# Altium PCB VNGS01 V1.31.PcbDoc (part 1 of 2)
Units mm, origin at the board's own origin, x right, y up, seen from the top; angles counter-clockwise.
Board outline 55.23 x 93.12 mm, 4 copper layers (Top Layer, Signal Layer 1, Signal Layer 2, Bottom Layer), stack 1.586 mm thick; 186 components, 119 nets, 588 pads, 371 vias.
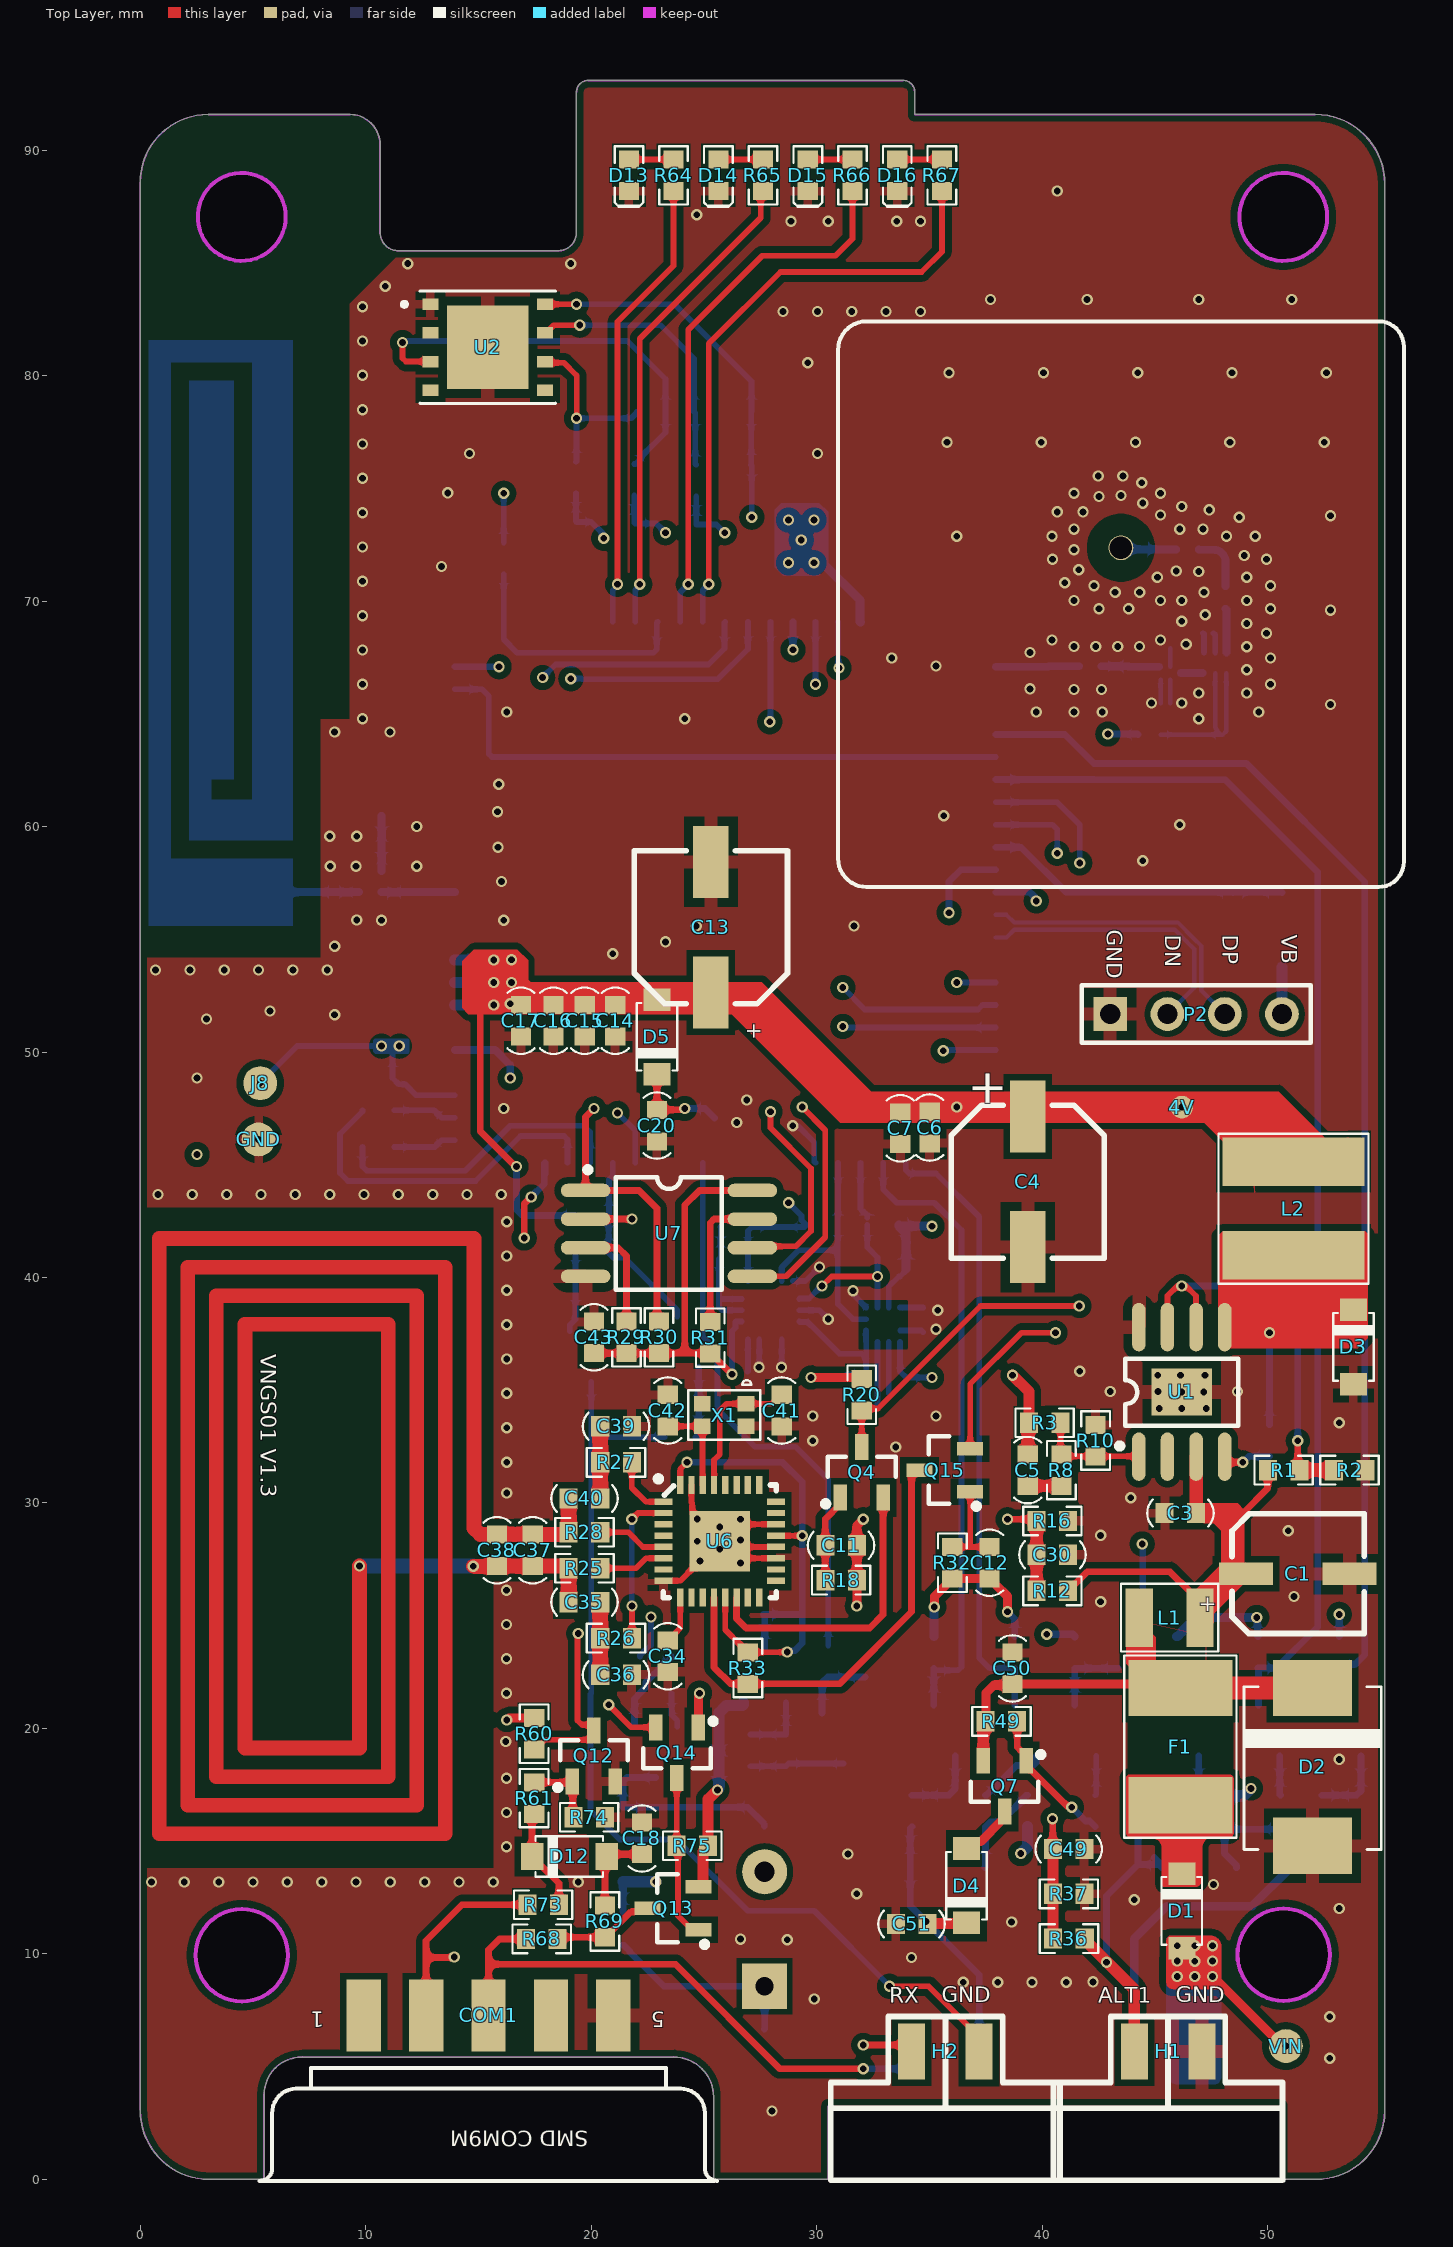
[diagram p0: Top Layer view]
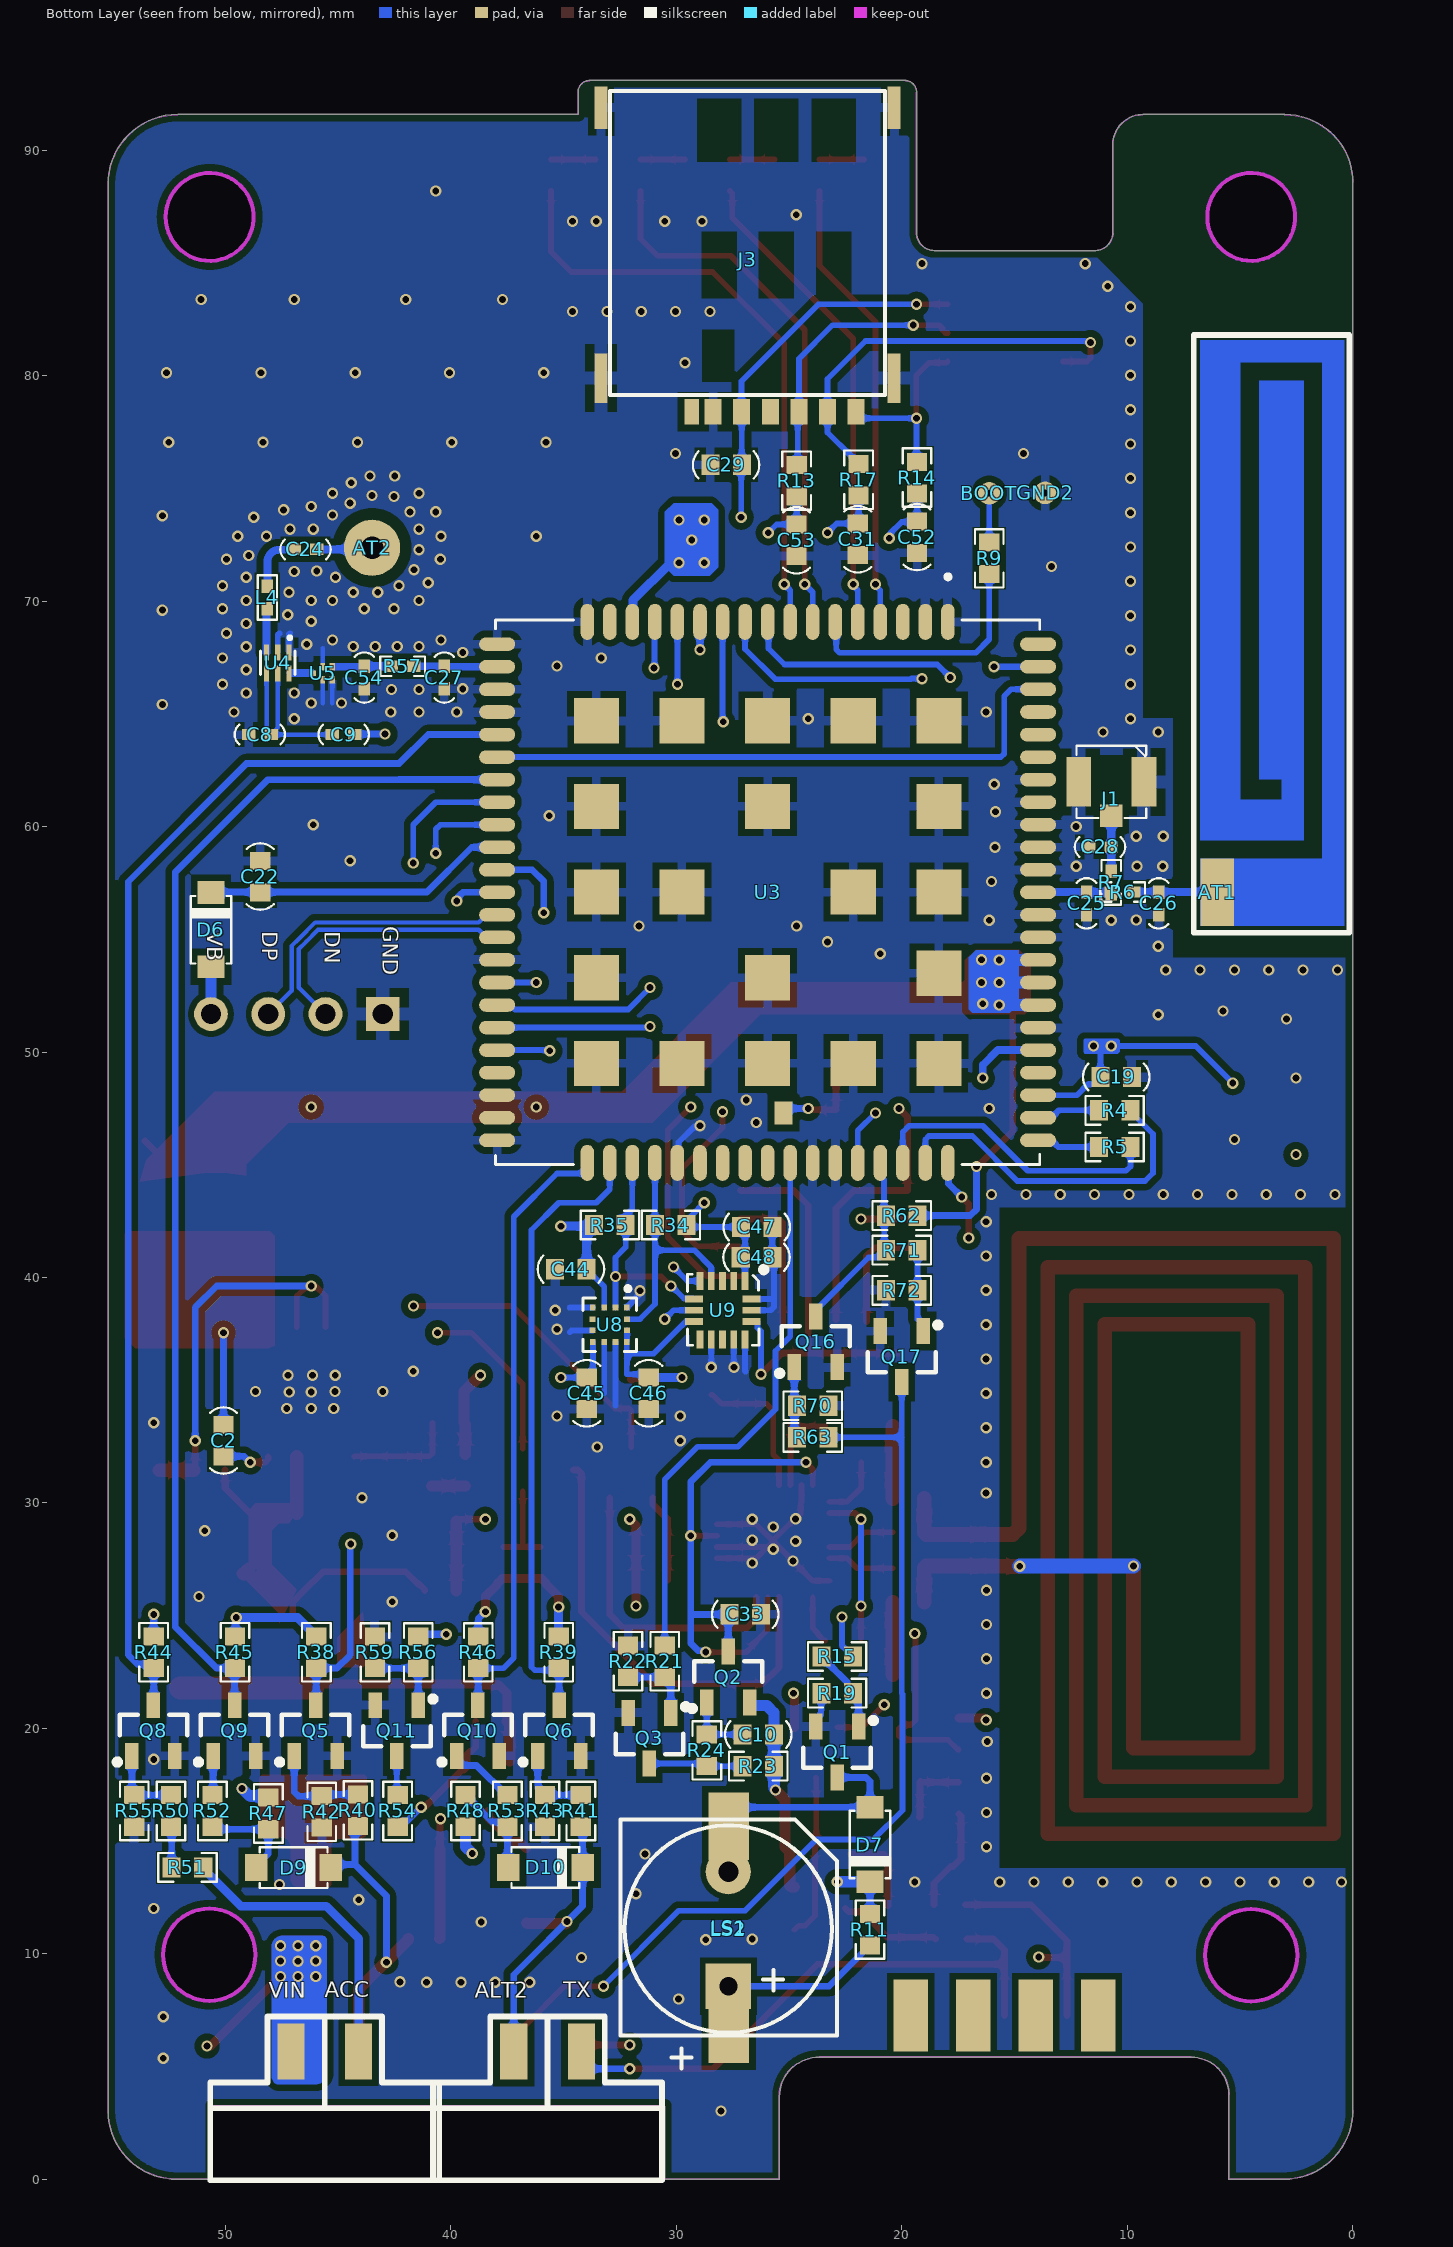
[diagram p1: Bottom Layer view, seen from below]
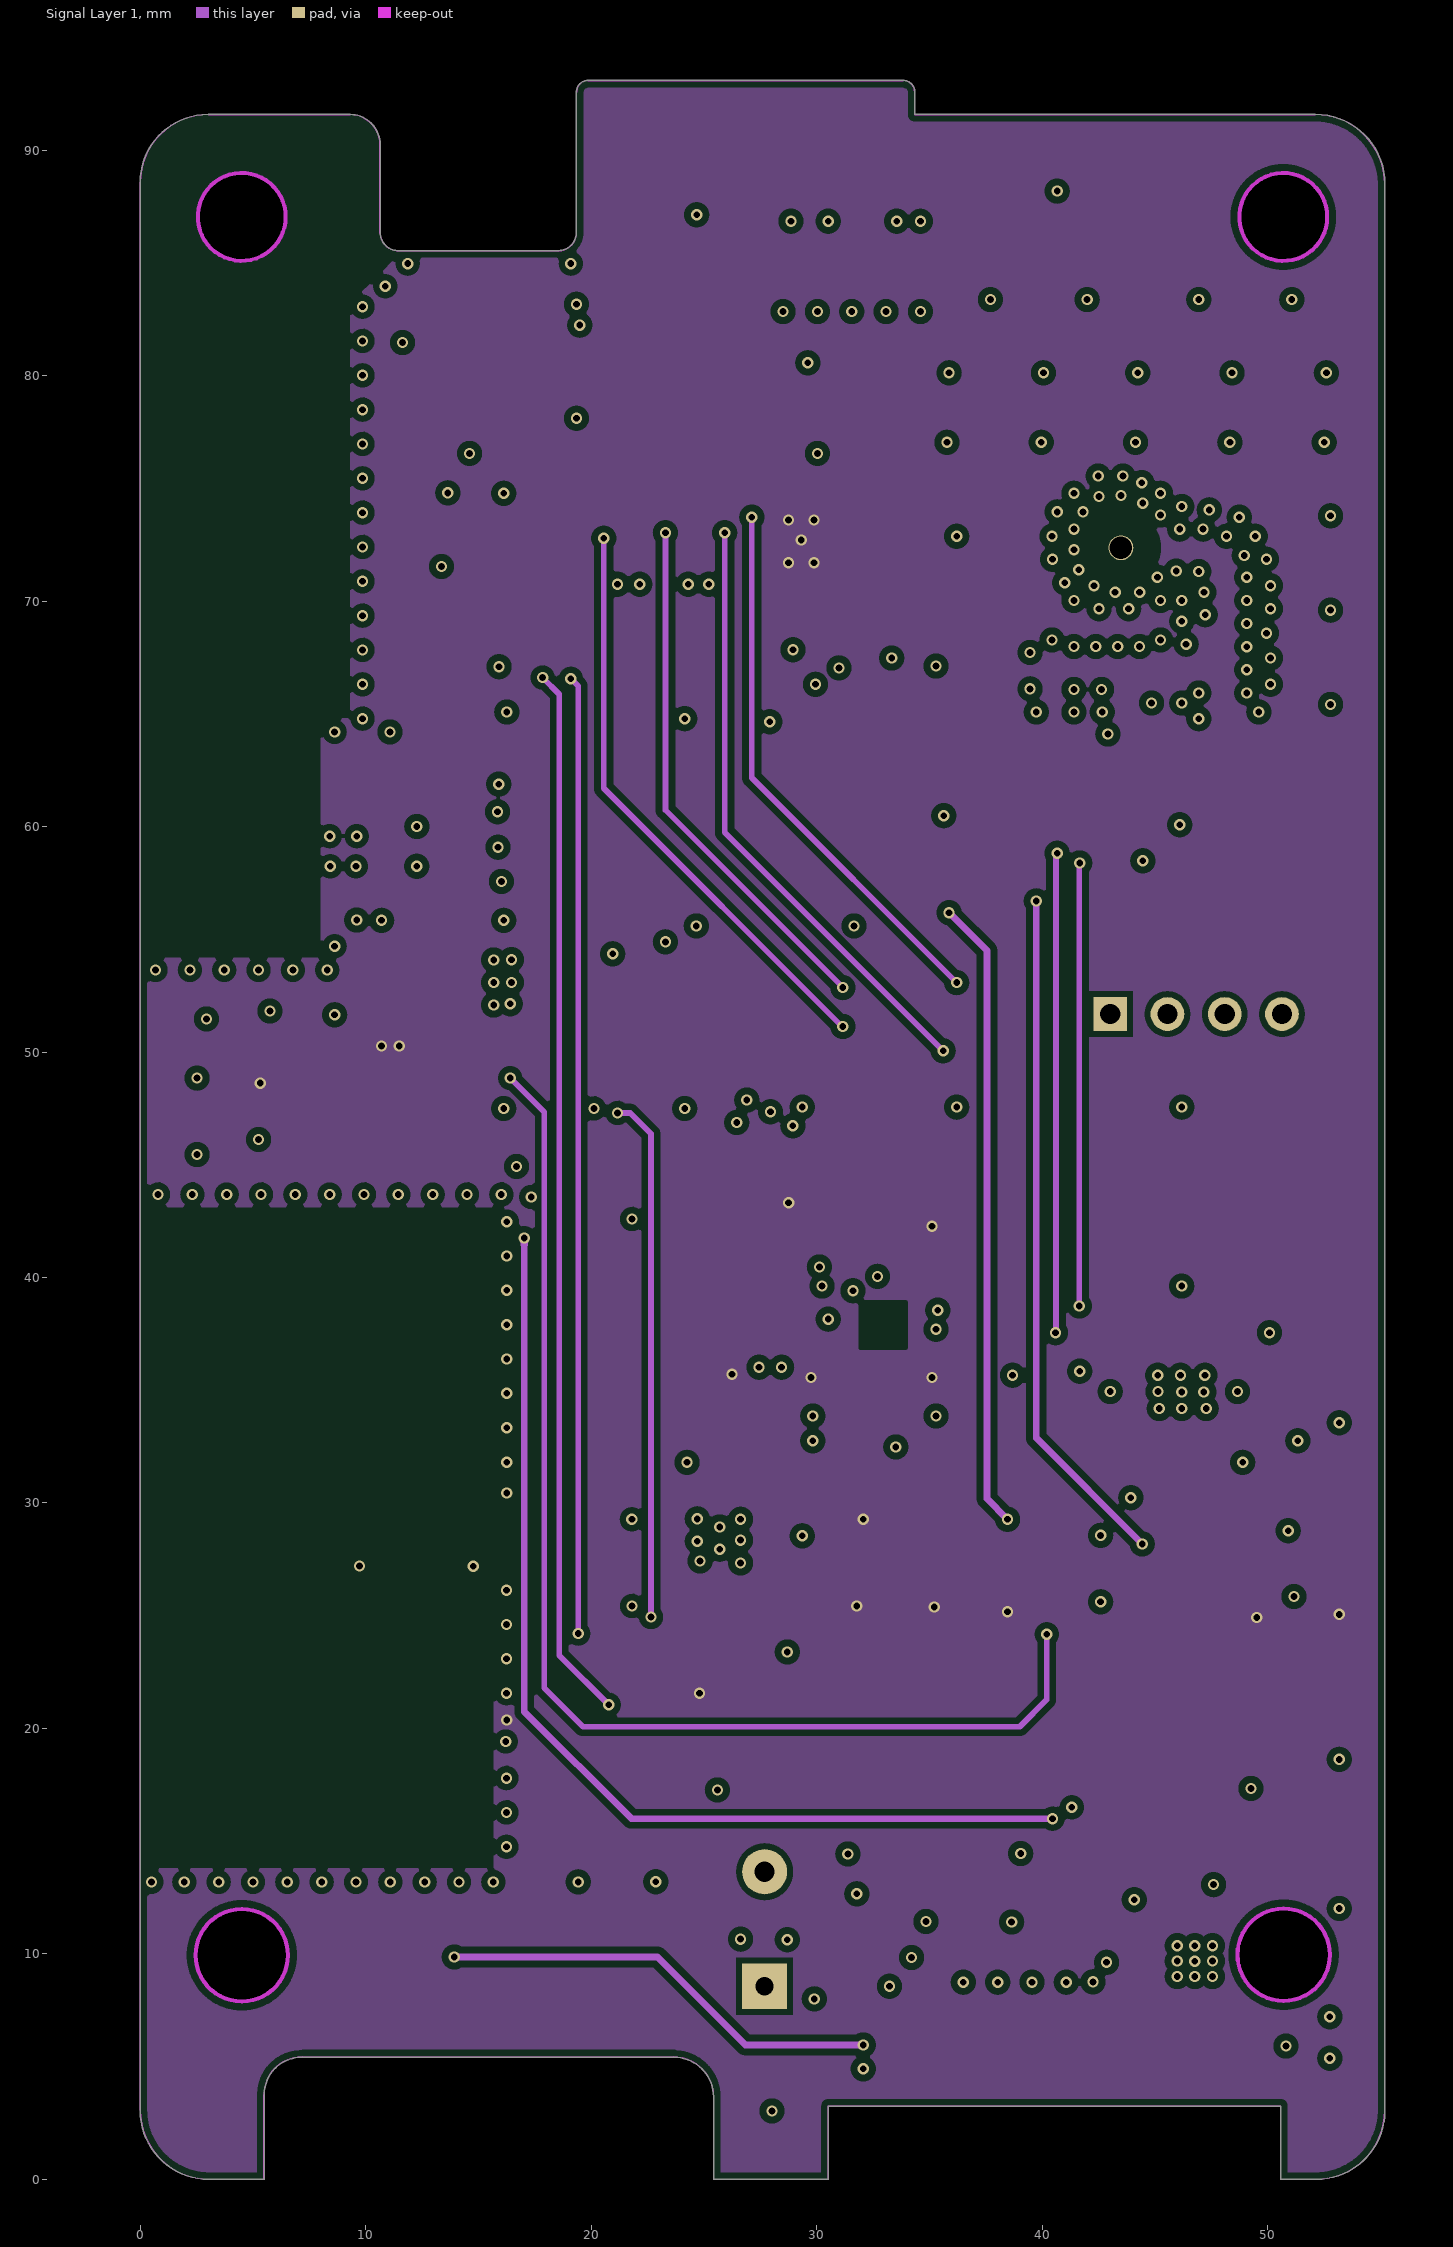
[diagram p2: Signal Layer 1]
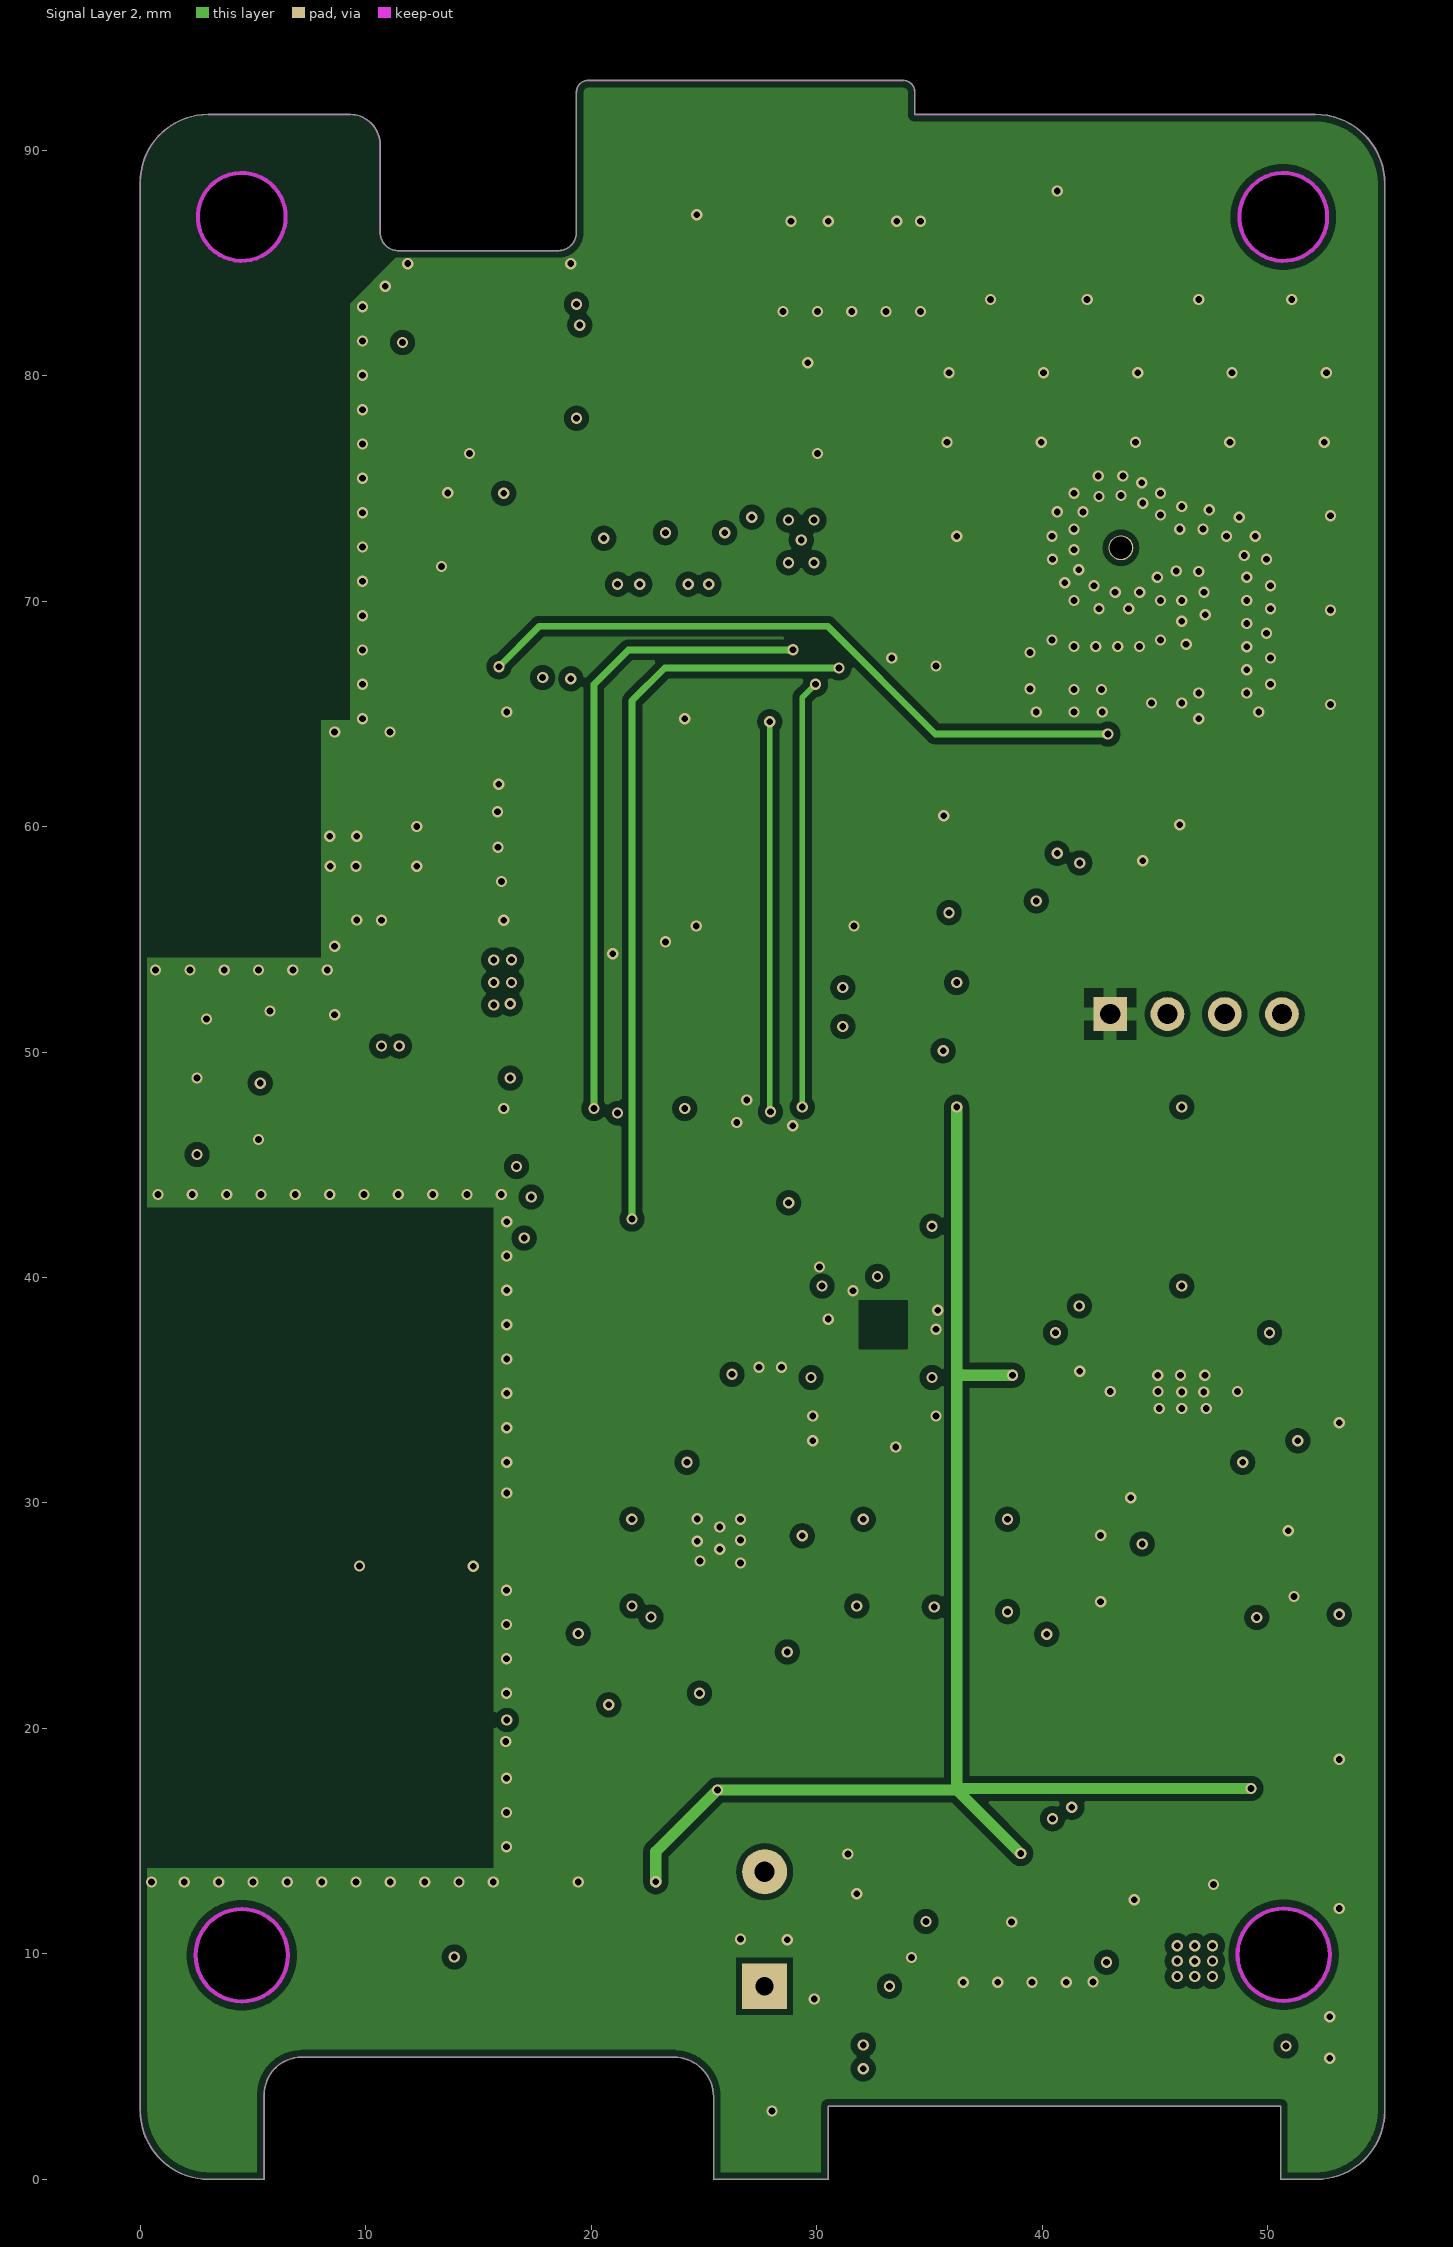
[diagram p3: Signal Layer 2]
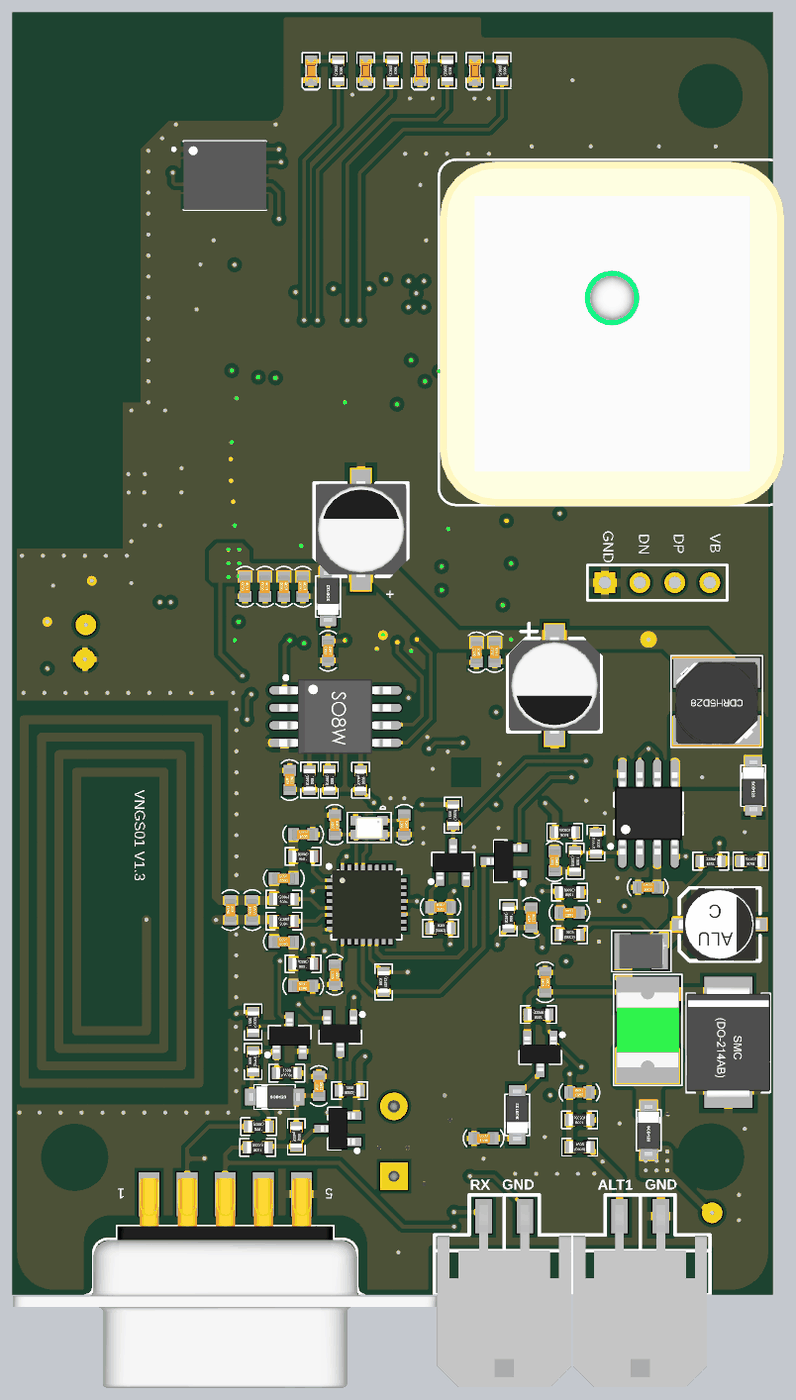
[diagram p5: 3D render of the assembled board from above, using the file's embedded part models]
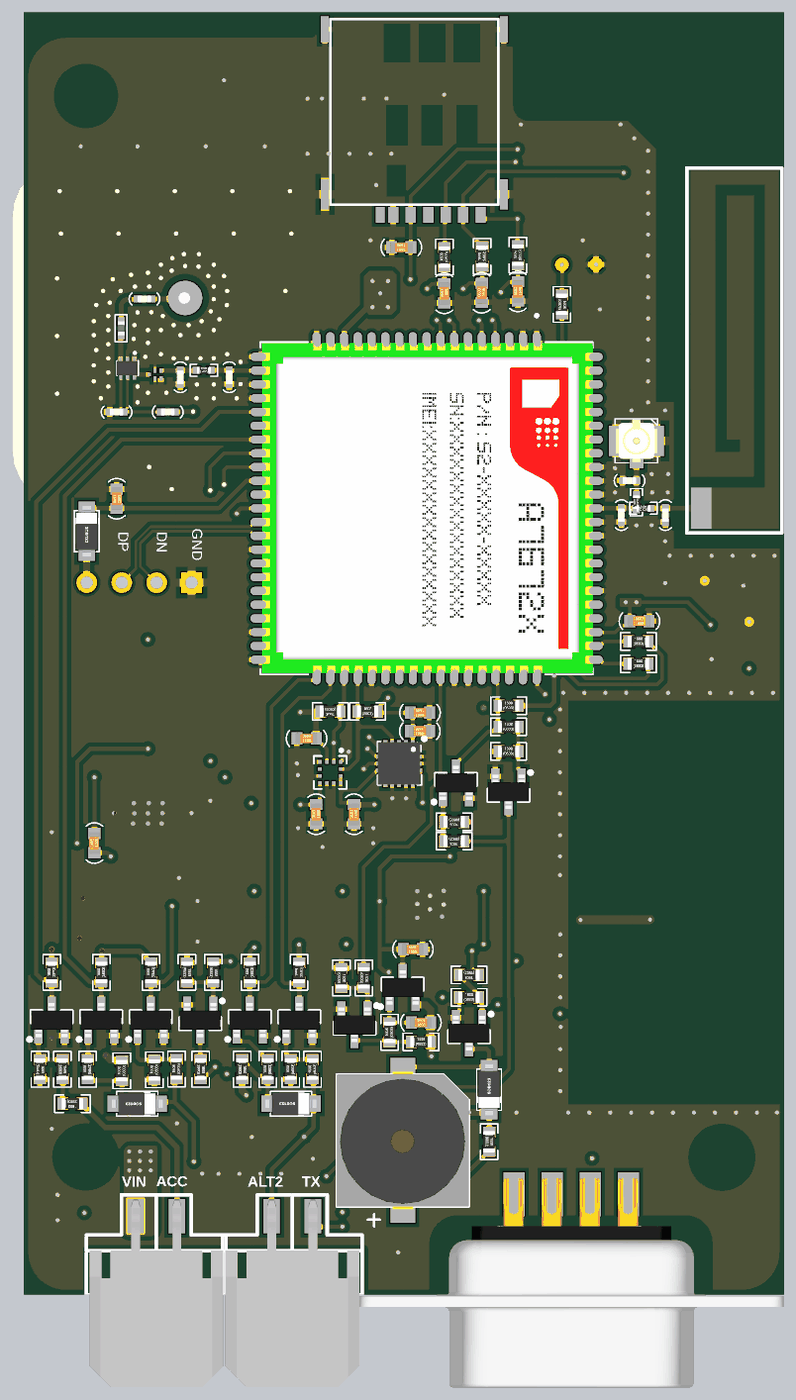
[diagram p6: 3D render of the assembled board from below, using the file's embedded part models]

## Layer stack, top to bottom
Top Solder: solder mask 0.02, SM-001, Dk 3.8
Top Layer: signal copper 0.035
Dielectric 1: prepreg 0.2104, PP-017, Dk 4.6
Signal Layer 1: signal copper 0.0152
Dielectric 2: core 1.065, Core-039, Dk 4.6
Signal Layer 2: signal copper 0.0152
Dielectric 3: prepreg 0.2104, PP-017, Dk 4.6
Bottom Layer: signal copper 0.035
Bottom Solder: solder mask 0.02, SM-001, Dk 3.8

## Board outline
3.048,-0.013 5.48,-0.013 ccw(c5.48,0) 5.493,0 5.493,3.752 ccw(c5.48,3.752) 5.492,3.756 ccw(c5.48,3.76) 5.493,3.76 cw(c7.148,3.752) 7.148,5.407 cw(c7.148,3.752) 7.18,5.407 ccw(c7.18,5.42) 7.183,5.407 23.627,5.407 ccw(c23.63,5.42) 23.63,5.407 cw(c23.665,3.644) 23.665,5.407 cw(c23.665,3.644) 25.427,3.653 cw(c23.665,3.644) 25.427,3.653 25.427,0 ccw(c25.44,0) 25.44,-0.013 30.505,-0.013 ccw(c30.505,0) 30.518,0 30.518,3.238 50.584,3.238 50.584,0 ccw(c50.597,0) 50.597,-0.013 52.152,-0.013 cw(c52.152,0) 52.152,-0.013 ccw(c52.152,3.048) 55.213,3.048 55.213,88.515 ccw(c55.2,88.515) 55.213,88.515 ccw(c55.2,88.515) 55.213,88.515 ccw(c52.126,88.515) 52.126,91.602 ccw(c52.126,91.589) 52.126,91.602 ccw(c52.126,91.589) 52.126,91.602 34.359,91.602 34.359,92.591 ccw(c34.346,92.594) 34.359,92.594 ccw(c33.846,92.597) 34.359,92.597 ccw(c33.846,92.597) 33.848,93.11 ccw(c33.848,93.097) 33.845,93.11 19.855,93.11 ccw(c19.853,93.097) 19.853,93.11 ccw(c19.855,92.597) 19.342,92.597 ccw(c19.355,92.594) 19.342,92.594 19.342,86.311 ccw(c18.529,86.374) 19.342,86.312 19.342,86.311 cw(c18.529,86.374) 18.566,85.56 cw(c18.529,86.374) 18.566,85.56 11.386,85.56 cw(c11.45,86.373) 10.635,86.336 ccw(c10.622,86.336) 10.635,86.338 ccw(c10.622,86.339) 10.635,86.339 10.635,90.253 ccw(c10.622,90.253) 10.635,90.254 ccw(c9.294,90.26) 10.635,90.26 ccw(c9.294,90.26) 9.299,91.602 ccw(c9.299,91.589) 9.299,91.602 3.021,91.602 ccw(c3.021,91.589) 3.01,91.597 ccw(c3,91.589) 3,91.602 ccw(c3,88.589) -0.013,88.589 ccw(c0,88.589) -0.013,88.588 -0.013,3.048 cw(c0,3.048) -0.013,3.048 cw(c0,3.048) -0.013,3.048 ccw(c3.048,3.048)
cut-out: 4.492,85.108 cw(c4.492,87.058) 2.542,87.058 cw(c4.492,87.058) 4.492,89.008 cw(c4.492,87.058) 6.442,87.058 cw(c4.492,87.058)
cut-out: 50.702,85.104 cw(c50.702,87.054) 48.752,87.054 cw(c50.702,87.054) 50.702,89.004 cw(c50.702,87.054) 52.652,87.054 cw(c50.702,87.054)
cut-out: 4.492,85.108 cw(c4.492,87.058) 2.542,87.058 cw(c4.492,87.058) 4.492,89.008 cw(c4.492,87.058) 6.442,87.058 cw(c4.492,87.058)
cut-out: 4.497,7.883 cw(c4.497,9.933) 2.447,9.933 cw(c4.497,9.933) 4.497,11.983 cw(c4.497,9.933) 6.547,9.933 cw(c4.497,9.933)
cut-out: 50.718,7.909 cw(c50.718,9.959) 48.668,9.959 cw(c50.718,9.959) 50.718,12.009 cw(c50.718,9.959) 52.768,9.959 cw(c50.718,9.959)

## Design rules (kind name [scope] priority, off if disabled: settings)
Clearance Clearance_1 [InNet('USB_N') vs InNet('USB_P')] p1: gap=0.2 ignorepadtopadclearanceinfootprint=FALSE except(0.127: Arc-Arc Arc-Track Track-Track)
Clearance Polygon [InNamedPolygon('BOT GND')or InNamedPolygon('SIG1 GND') or InNamedPolygon('TOP GND') or InNamedPolygon('SIG2 1V8')] p2: gap=0.3 ignorepadtopadclearanceinfootprint=FALSE except(0.254: THPad-Fill THPad-Poly THPad-Region)
Clearance Small [HasFootprint('QFN16P 3x3 - 1')] p3: gap=0.127 ignorepadtopadclearanceinfootprint=FALSE
Clearance [All] p4: gap=0.2 ignorepadtopadclearanceinfootprint=FALSE
ComponentClearance [All] p1: gap=0 collisioncheckmode=3 verticalgap=0 showdistances=FALSE
DiffPairsRouting DiffPair_Dif90DiffPairsRouting [InDifferentialPairClass('DIFF90')] p1: maxlimit=0.254 minlimit=0.127 mostfreqgap=0.254 toplayer_maxgap=0.127 toplayer_prefgap=0.127 toplayer_minwidth=0.211 toplayer_maxwidth=0.211 toplayer_prefwidth=0.211 bottomlayer_maxgap=0.127 bottomlayer_prefgap=0.127 bottomlayer_minwidth=0.211 bottomlayer_maxwidth=0.211 bottomlayer_prefwidth=0.211 impedanceprofiledriven=TRUE impedanceprofileid={1E399F76-69BF-49BC-BCAB-2E086C9E308C} impedanceprofilevalue=90.000000 maxuncoupledlength=12.7
DiffPairsRouting [All] p2: maxlimit=0.203 minlimit=0.203 mostfreqgap=0.203 toplayer_minwidth=0.254 toplayer_maxwidth=0.254 toplayer_prefwidth=0.254 midlayer1_minwidth=0.254 midlayer1_maxwidth=0.254 midlayer1_prefwidth=0.254 midlayer2_minwidth=0.254 midlayer2_maxwidth=0.254 midlayer2_prefwidth=0.254 bottomlayer_minwidth=0.254 bottomlayer_maxwidth=0.254 bottomlayer_prefwidth=0.254 maxuncoupledlength=12.7
HoleToHoleClearance [All] p1: gap=0 allowstackedmicrovias=TRUE
MatchedLengths DiffPair_Dif90MatchedLengths [InDifferentialPairClass('DIFF90')] p1: tolerance=25.4 checknetsindiffpair=FALSE checkdiffpairvsdiffpair=TRUE checkxsignals=TRUE checkothers=TRUE
MinimumSolderMaskSliver [All] p1: minsoldermaskwidth=0
PlaneClearance [All] p1: clearance=0.3
PlaneConnect [All] p1: planeconnectstyle=Direct reliefexpansion=0.508 reliefentries=4 reliefconductorwidth=0.254 reliefairgap=0.254
PolygonConnect PolygonConnect_BigPAD [(AsMM(PadXSize_AllLayers) >2 ) OR (      AsMM(PadYSize_AllLayers) >2 )] p1: thpad.connectstyle=Relief thpad.reliefconductorwidth=0.8 thpad.reliefentries=4 thpad.polygonreliefangle="90 Angle" thpad.airgapwidth=0.4 smdpad.connectstyle=Relief smdpad.reliefconductorwidth=0.6 smdpad.reliefentries=4 smdpad.polygonreliefangle="90 Angle" smdpad.airgapwidth=0.4 via.connectstyle=Direct via.reliefconductorwidth=0.254 via.reliefentries=4 via.polygonreliefangle="90 Angle" via.airgapwidth=0.254
PolygonConnect [All] p2: thpad.connectstyle=Relief thpad.reliefconductorwidth=0.6 thpad.reliefentries=4 thpad.polygonreliefangle="90 Angle" thpad.airgapwidth=0.4 smdpad.connectstyle=Relief smdpad.reliefconductorwidth=0.4 smdpad.reliefentries=4 smdpad.polygonreliefangle="90 Angle" smdpad.airgapwidth=0.3 via.connectstyle=Direct via.reliefconductorwidth=0.254 via.reliefentries=4 via.polygonreliefangle="90 Angle" via.airgapwidth=0.254
RoutingVias [All] p1: holewidth=0.3 width=0.5 viastyle="Through Hole" minholewidth=0.3 minwidth=0.5 maxholewidth=0.3 maxwidth=0.5
SilkToSilkClearance [All] p1: silktosilkclearance=0
SilkToSolderMaskClearance [IsPad] p1: minsilkscreentomaskgap=0 clearancetoexposedcopper=TRUE
SolderMaskExpansion [All] p1: expansion=0.102 istentingtop=FALSE
Width Antena [InNetClass('RF')] p1: maxlimit=0.345 minlimit=0.254 preferedwidth=0.345 toplayer_minwidth=0.345 bottomlayer_minwidth=0.345 impedanceprofiledriven=TRUE impedanceprofileid={487505A5-6B1A-4A6C-88A8-D21A6C699BCA} impedanceprofilevalue=50.000000 minimp=50.000000 maximp=50.000000 favimp=50.000000